# KiCad board keyboard_mk1.kicad_pcb
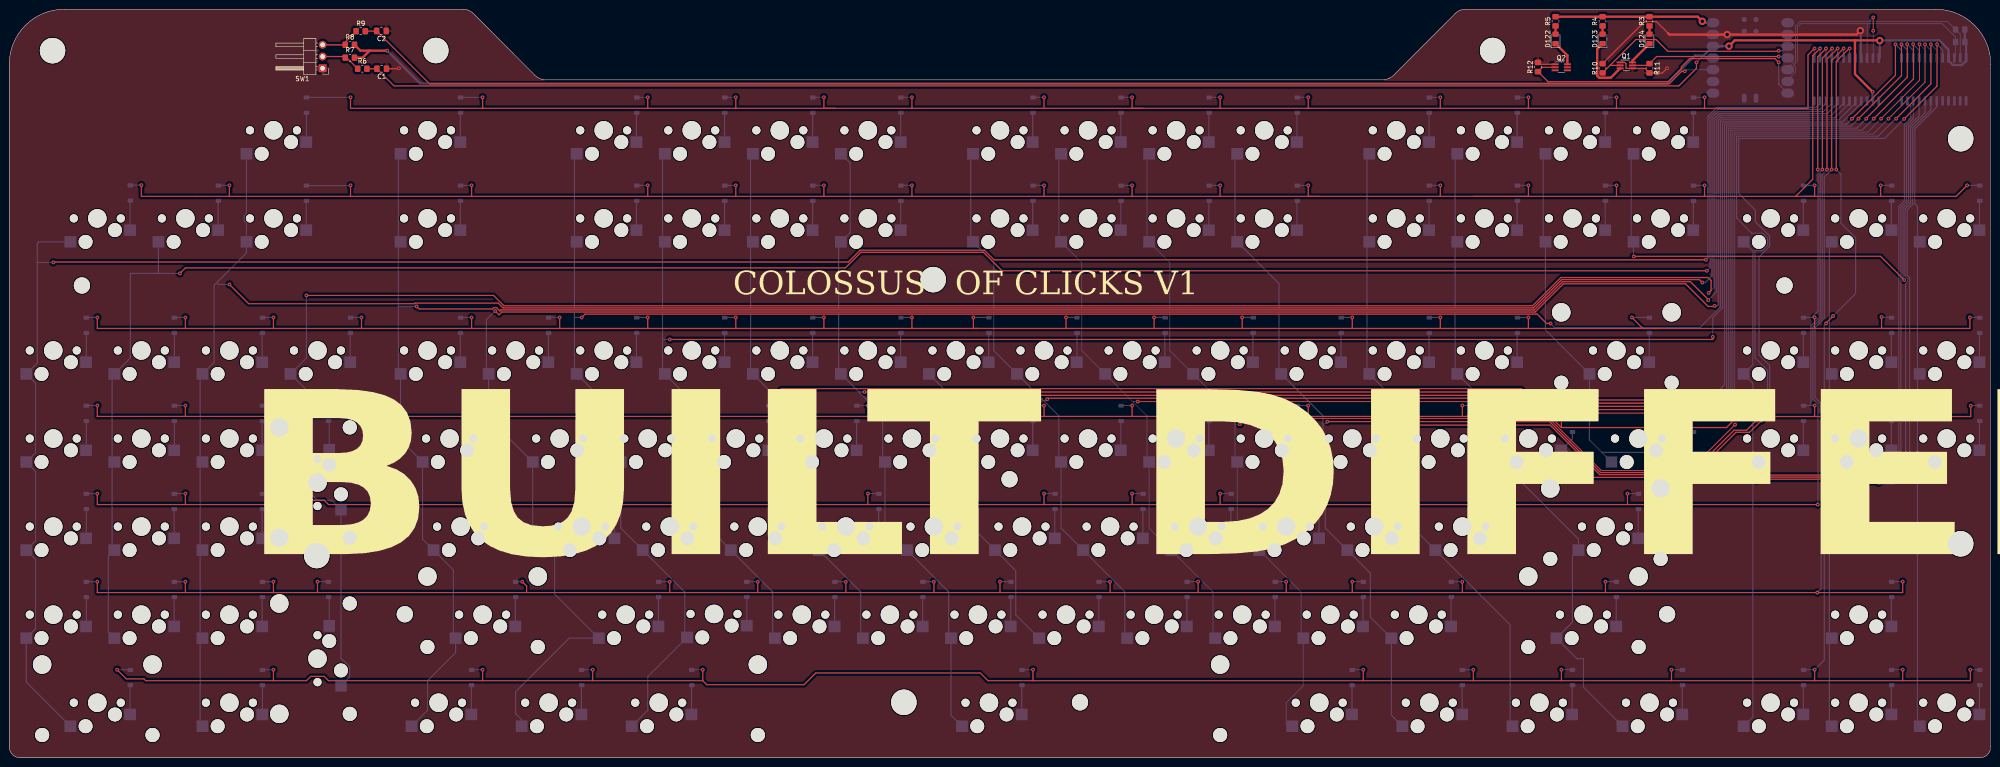
[diagram p0: board, top side]
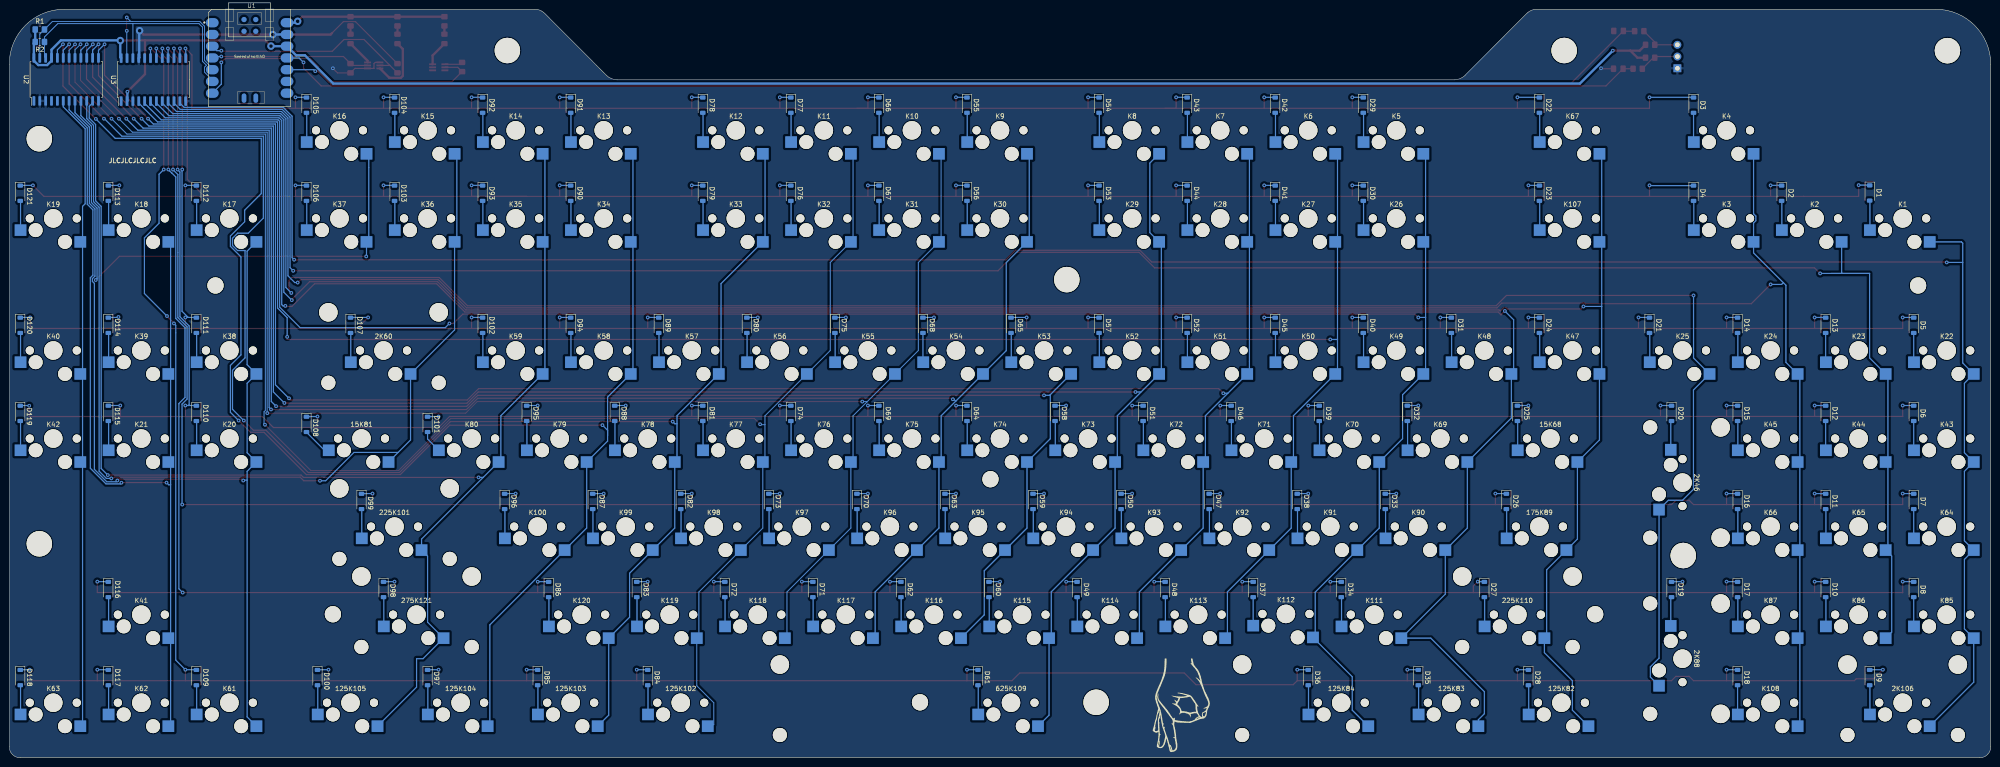
[diagram p1: board, bottom side, seen from below]

Outline 428.62 x 161.93 mm; copper layers: Top, Bottom. Coordinates in mm from the lower left corner of the outline.
Outline path: 0,150.02 arc(3.49,158.44) 11.91,161.93 98.23,161.93 arc(99.37,161.7) 100.33,161.05 113.7,147.64 arc(114.8,146.91) 116.09,146.65 297.06,146.65 arc(298.35,146.91) 299.44,147.64 312.82,161.05 arc(313.78,161.7) 314.92,161.93 416.72,161.93 arc(425.14,158.44) 428.62,150.02 428.62,2.38 arc(427.93,0.7) 426.24,0 2.38,0 arc(0.7,0.7) 0,2.38 0,150.02
Stack: Top 0.035mm / dielectric 1.51mm FR4 er 4.5 / Bottom 0.035mm

## Placement (name value [footprint] x y rotation side)
2K46  KEYSW  [MXOnly-2U-Hotswap]  76.2 78.58 270 top
2K60  KEYSW  [MXOnly-2U-Hotswap]  366.71 78.58 180 top
2K88  KEYSW  [MXOnly-2U-Hotswap]  76.2 40.48 270 top
2K106  KEYSW  [MXOnly-2U-Hotswap]  38.1 2.38 180 top
15K68  KEYSW  [MXOnly-1.5U-Hotswap]  109.54 59.53 180 top
15K81  KEYSW  [MXOnly-1.5U-Hotswap]  366.71 59.53 180 top
125K82  KEYSW  [MXOnly-1.25U-Hotswap]  104.77 2.38 180 top
125K83  KEYSW  [MXOnly-1.25U-Hotswap]  128.59 2.38 180 top
125K84  KEYSW  [MXOnly-1.25U-Hotswap]  152.4 2.38 180 top
125K102  KEYSW  [MXOnly-1.25U-Hotswap]  295.27 2.38 180 top
125K103  KEYSW  [MXOnly-1.25U-Hotswap]  319.09 2.38 180 top
125K104  KEYSW  [MXOnly-1.25U-Hotswap]  342.9 2.38 180 top
125K105  KEYSW  [MXOnly-1.25U-Hotswap]  366.71 2.38 180 top
175K89  KEYSW  [MXOnly-1.75U-Hotswap]  114.3 40.48 180 top
225K101  KEYSW  [MXOnly-2.25U-Hotswap]  366.71 40.48 180 top
225K110  KEYSW  [MXOnly-2.25U-Hotswap]  123.82 21.43 180 top
275K121  KEYSW  [MXOnly-2.75U-Hotswap]  366.71 21.43 180 top
625K109  KEYSW  [MXOnly-6.25U-Hotswap]  271.46 2.38 180 top
C1  0.01uF  [C_0805_2012Metric_Pad1.18x1.45mm_HandSolder]  80.57 149.05 180 top
C2  0.01uF  [C_0805_2012Metric_Pad1.18x1.45mm_HandSolder]  80.51 157.23 180 top
D1  D  [D_SOD-123]  26.19 122.17 270 bottom
D2  D  [D_SOD-123]  45.24 122.12 270 bottom
D3  D  [D_SOD-123]  64.29 141.17 270 bottom
D4  D  [D_SOD-123]  64.29 122.12 270 bottom
D5  D  [D_SOD-123]  16.67 93.55 270 bottom
D6  D  [D_SOD-123]  16.67 74.5 270 bottom
D7  D  [D_SOD-123]  16.67 55.45 270 bottom
D8  D  [D_SOD-123]  16.67 36.4 270 bottom
D9  D  [D_SOD-123]  26.19 17.35 270 bottom
D10  D  [D_SOD-123]  35.72 36.4 270 bottom
D11  D  [D_SOD-123]  35.72 55.45 270 bottom
D12  D  [D_SOD-123]  35.72 74.5 270 bottom
D13  D  [D_SOD-123]  35.72 93.55 270 bottom
D14  D  [D_SOD-123]  54.77 93.55 270 bottom
D15  D  [D_SOD-123]  54.77 74.5 270 bottom
D16  D  [D_SOD-123]  54.77 55.45 270 bottom
D17  D  [D_SOD-123]  54.77 36.4 270 bottom
D18  D  [D_SOD-123]  54.77 17.35 270 bottom
D19  D  [D_SOD-123]  69.06 36.4 270 bottom
D20  D  [D_SOD-123]  69.06 74.5 270 bottom
D21  D  [D_SOD-123]  73.82 93.55 270 bottom
D22  D  [D_SOD-123]  97.63 141.18 270 bottom
D23  D  [D_SOD-123]  97.63 122.12 270 bottom
D24  D  [D_SOD-123]  97.63 93.55 270 bottom
D25  D  [D_SOD-123]  102.39 74.5 270 bottom
D26  D  [D_SOD-123]  104.77 55.45 270 bottom
D27  D  [D_SOD-123]  109.54 36.4 270 bottom
D28  D  [D_SOD-123]  100.01 17.35 270 bottom
D29  D  [D_SOD-123]  135.73 141.18 270 bottom
D30  D  [D_SOD-123]  135.73 122.12 270 bottom
D31  D  [D_SOD-123]  116.68 93.55 270 bottom
D32  D  [D_SOD-123]  126.21 74.5 270 bottom
D33  D  [D_SOD-123]  130.97 55.45 270 bottom
D34  D  [D_SOD-123]  140.49 36.4 270 bottom
D35  D  [D_SOD-123]  123.82 17.35 270 bottom
D36  D  [D_SOD-123]  147.64 17.35 270 bottom
D37  D  [D_SOD-123]  159.54 36.4 270 bottom
D38  D  [D_SOD-123]  150.02 55.45 270 bottom
D39  D  [D_SOD-123]  145.26 74.5 270 bottom
D40  D  [D_SOD-123]  135.73 93.55 270 bottom
D41  D  [D_SOD-123]  154.78 122.12 270 bottom
D42  D  [D_SOD-123]  154.78 141.18 270 bottom
D43  D  [D_SOD-123]  173.83 141.18 270 bottom
D44  D  [D_SOD-123]  173.83 122.12 270 bottom
D45  D  [D_SOD-123]  154.78 93.55 270 bottom
D46  D  [D_SOD-123]  164.31 74.5 270 bottom
D47  D  [D_SOD-123]  169.07 55.45 270 bottom
D48  D  [D_SOD-123]  178.59 36.4 270 bottom
D49  D  [D_SOD-123]  197.64 36.4 270 bottom
D50  D  [D_SOD-123]  188.12 55.45 270 bottom
D51  D  [D_SOD-123]  183.36 74.5 270 bottom
D52  D  [D_SOD-123]  173.83 93.55 270 bottom
D53  D  [D_SOD-123]  192.88 122.12 270 bottom
D54  D  [D_SOD-123]  192.88 141.18 270 bottom
D55  D  [D_SOD-123]  221.46 141.18 270 bottom
D56  D  [D_SOD-123]  221.46 122.12 270 bottom
D57  D  [D_SOD-123]  192.88 93.55 270 bottom
D58  D  [D_SOD-123]  202.41 74.5 270 bottom
D59  D  [D_SOD-123]  207.17 55.45 270 bottom
D60  D  [D_SOD-123]  216.69 36.4 270 bottom
D61  D  [D_SOD-123]  219.07 17.35 270 bottom
D62  D  [D_SOD-123]  235.74 36.4 270 bottom
D63  D  [D_SOD-123]  226.22 55.45 270 bottom
D64  D  [D_SOD-123]  221.46 74.5 270 bottom
D65  D  [D_SOD-123]  211.93 93.55 270 bottom
D66  D  [D_SOD-123]  240.51 141.18 270 bottom
D67  D  [D_SOD-123]  240.51 122.12 270 bottom
D68  D  [D_SOD-123]  230.98 93.55 270 bottom
D69  D  [D_SOD-123]  240.51 74.5 270 bottom
D70  D  [D_SOD-123]  245.27 55.45 270 bottom
D71  D  [D_SOD-123]  254.79 36.4 270 bottom
D72  D  [D_SOD-123]  273.84 36.4 270 bottom
D73  D  [D_SOD-123]  264.32 55.45 270 bottom
D74  D  [D_SOD-123]  259.56 74.5 270 bottom
D75  D  [D_SOD-123]  250.03 93.55 270 bottom
D76  D  [D_SOD-123]  259.56 122.12 270 bottom
D77  D  [D_SOD-123]  259.56 141.18 270 bottom
D78  D  [D_SOD-123]  278.61 141.18 270 bottom
D79  D  [D_SOD-123]  278.61 122.12 270 bottom
D80  D  [D_SOD-123]  269.08 93.55 270 bottom
D81  D  [D_SOD-123]  278.61 74.5 270 bottom
D82  D  [D_SOD-123]  283.37 55.45 270 bottom
D83  D  [D_SOD-123]  292.89 36.4 270 bottom
D84  D  [D_SOD-123]  290.51 17.35 270 bottom
D85  D  [D_SOD-123]  314.32 17.35 270 bottom
D86  D  [D_SOD-123]  311.94 36.4 270 bottom
D87  D  [D_SOD-123]  302.42 55.45 270 bottom
D88  D  [D_SOD-123]  297.66 74.5 270 bottom
D89  D  [D_SOD-123]  288.13 93.55 270 bottom
D90  D  [D_SOD-123]  307.18 122.12 270 bottom
D91  D  [D_SOD-123]  307.18 141.18 270 bottom
D92  D  [D_SOD-123]  326.23 141.18 270 bottom
D93  D  [D_SOD-123]  326.23 122.12 270 bottom
D94  D  [D_SOD-123]  307.18 93.55 270 bottom
D95  D  [D_SOD-123]  316.71 74.5 270 bottom
D96  D  [D_SOD-123]  321.47 55.45 270 bottom
D97  D  [D_SOD-123]  338.14 17.35 270 bottom
D98  D  [D_SOD-123]  347.66 36.4 270 bottom
D99  D  [D_SOD-123]  352.42 55.45 270 bottom
D100  D  [D_SOD-123]  361.95 17.35 270 bottom
D101  D  [D_SOD-123]  338.14 72.12 270 bottom
D102  D  [D_SOD-123]  326.23 93.55 270 bottom
D103  D  [D_SOD-123]  345.28 122.12 270 bottom
D104  D  [D_SOD-123]  345.28 141.18 270 bottom
D105  D  [D_SOD-123]  364.33 141.18 270 bottom
D106  D  [D_SOD-123]  364.33 122.12 270 bottom
D107  D  [D_SOD-123]  354.81 93.55 270 bottom
D108  D  [D_SOD-123]  364.33 72.12 270 bottom
D109  D  [D_SOD-123]  388.14 17.35 270 bottom
D110  D  [D_SOD-123]  388.14 74.5 270 bottom
D111  D  [D_SOD-123]  388.14 93.55 270 bottom
D112  D  [D_SOD-123]  388.14 122.12 270 bottom
D113  D  [D_SOD-123]  407.19 122.12 270 bottom
D114  D  [D_SOD-123]  407.19 93.55 270 bottom
D115  D  [D_SOD-123]  407.19 74.5 270 bottom
D116  D  [D_SOD-123]  407.19 36.4 270 bottom
D117  D  [D_SOD-123]  407.19 17.35 270 bottom
D118  D  [D_SOD-123]  426.24 17.35 270 bottom
D119  D  [D_SOD-123]  426.24 74.5 270 bottom
D120  D  [D_SOD-123]  426.24 93.55 270 bottom
D121  D  [D_SOD-123]  426.24 122.12 270 bottom
D122  LED  [LED_0805_2012Metric_Pad1.15x1.40mm_HandSolder]  334.49 155.51 90 top
D123  LED  [LED_0805_2012Metric_Pad1.15x1.40mm_HandSolder]  344.65 155.51 90 top
D124  LED  [LED_0805_2012Metric_Pad1.15x1.40mm_HandSolder]  354.81 155.51 90 top
K1  KEYSW  [MXOnly-1U-Hotswap]  28.57 107.16 180 top
K2  KEYSW  [MXOnly-1U-Hotswap]  47.62 107.16 180 top
K3  KEYSW  [MXOnly-1U-Hotswap]  66.67 107.16 180 top
K4  KEYSW  [MXOnly-1U-Hotswap]  66.67 126.21 180 top
K5  KEYSW  [MXOnly-1U-Hotswap]  138.11 126.21 180 top
K6  KEYSW  [MXOnly-1U-Hotswap]  157.16 126.21 180 top
K7  KEYSW  [MXOnly-1U-Hotswap]  176.21 126.21 180 top
K8  KEYSW  [MXOnly-1U-Hotswap]  195.26 126.21 180 top
K9  KEYSW  [MXOnly-1U-Hotswap]  223.84 126.21 180 top
K10  KEYSW  [MXOnly-1U-Hotswap]  242.89 126.21 180 top
K11  KEYSW  [MXOnly-1U-Hotswap]  261.94 126.21 180 top
K12  KEYSW  [MXOnly-1U-Hotswap]  280.99 126.21 180 top
K13  KEYSW  [MXOnly-1U-Hotswap]  309.56 126.21 180 top
K14  KEYSW  [MXOnly-1U-Hotswap]  328.61 126.21 180 top
K15  KEYSW  [MXOnly-1U-Hotswap]  347.66 126.21 180 top
K16  KEYSW  [MXOnly-1U-Hotswap]  366.71 126.21 180 top
K17  KEYSW  [MXOnly-1U-Hotswap]  390.52 107.16 180 top
K18  KEYSW  [MXOnly-1U-Hotswap]  409.57 107.16 180 top
K19  KEYSW  [MXOnly-1U-Hotswap]  428.62 107.16 180 top
K20  KEYSW  [MXOnly-1U-Hotswap]  390.52 59.53 180 top
K21  KEYSW  [MXOnly-1U-Hotswap]  409.57 59.53 180 top
K22  KEYSW  [MXOnly-1U-Hotswap]  19.05 78.58 180 top
K23  KEYSW  [MXOnly-1U-Hotswap]  38.1 78.58 180 top
K24  KEYSW  [MXOnly-1U-Hotswap]  57.15 78.58 180 top
K25  KEYSW  [MXOnly-1U-Hotswap]  76.2 78.58 180 top
K26  KEYSW  [MXOnly-1U-Hotswap]  138.11 107.16 180 top
K27  KEYSW  [MXOnly-1U-Hotswap]  157.16 107.16 180 top
K28  KEYSW  [MXOnly-1U-Hotswap]  176.21 107.16 180 top
K29  KEYSW  [MXOnly-1U-Hotswap]  195.26 107.16 180 top
K30  KEYSW  [MXOnly-1U-Hotswap]  223.84 107.16 180 top
K31  KEYSW  [MXOnly-1U-Hotswap]  242.89 107.16 180 top
K32  KEYSW  [MXOnly-1U-Hotswap]  261.94 107.16 180 top
K33  KEYSW  [MXOnly-1U-Hotswap]  280.99 107.16 180 top
K34  KEYSW  [MXOnly-1U-Hotswap]  309.56 107.16 180 top
K35  KEYSW  [MXOnly-1U-Hotswap]  328.61 107.16 180 top
K36  KEYSW  [MXOnly-1U-Hotswap]  347.66 107.16 180 top
K37  KEYSW  [MXOnly-1U-Hotswap]  366.71 107.16 180 top
K38  KEYSW  [MXOnly-1U-Hotswap]  390.52 78.58 180 top
K39  KEYSW  [MXOnly-1U-Hotswap]  409.57 78.58 180 top
K40  KEYSW  [MXOnly-1U-Hotswap]  428.62 78.58 180 top
K41  KEYSW  [MXOnly-1U-Hotswap]  409.57 21.43 180 top
K42  KEYSW  [MXOnly-1U-Hotswap]  428.62 59.53 180 top
K43  KEYSW  [MXOnly-1U-Hotswap]  19.05 59.53 180 top
K44  KEYSW  [MXOnly-1U-Hotswap]  38.1 59.53 180 top
K45  KEYSW  [MXOnly-1U-Hotswap]  57.15 59.53 180 top
K47  KEYSW  [MXOnly-1U-Hotswap]  100.01 78.58 180 top
K48  KEYSW  [MXOnly-1U-Hotswap]  119.06 78.58 180 top
K49  KEYSW  [MXOnly-1U-Hotswap]  138.11 78.58 180 top
K50  KEYSW  [MXOnly-1U-Hotswap]  157.16 78.58 180 top
K51  KEYSW  [MXOnly-1U-Hotswap]  176.21 78.58 180 top
K52  KEYSW  [MXOnly-1U-Hotswap]  195.26 78.58 180 top
K53  KEYSW  [MXOnly-1U-Hotswap]  214.31 78.58 180 top
K54  KEYSW  [MXOnly-1U-Hotswap]  233.36 78.58 180 top
K55  KEYSW  [MXOnly-1U-Hotswap]  252.41 78.58 180 top
K56  KEYSW  [MXOnly-1U-Hotswap]  271.46 78.58 180 top
K57  KEYSW  [MXOnly-1U-Hotswap]  290.51 78.58 180 top
K58  KEYSW  [MXOnly-1U-Hotswap]  309.56 78.58 180 top
K59  KEYSW  [MXOnly-1U-Hotswap]  328.61 78.58 180 top
K61  KEYSW  [MXOnly-1U-Hotswap]  390.52 2.38 180 top
K62  KEYSW  [MXOnly-1U-Hotswap]  409.57 2.38 180 top
K63  KEYSW  [MXOnly-1U-Hotswap]  428.62 2.38 180 top
K64  KEYSW  [MXOnly-1U-Hotswap]  19.05 40.48 180 top
K65  KEYSW  [MXOnly-1U-Hotswap]  38.1 40.48 180 top
K66  KEYSW  [MXOnly-1U-Hotswap]  57.15 40.48 180 top
K67  KEYSW  [MXOnly-1U-Hotswap]  100.01 126.21 180 top
K69  KEYSW  [MXOnly-1U-Hotswap]  128.59 59.53 180 top
K70  KEYSW  [MXOnly-1U-Hotswap]  147.64 59.53 180 top
K71  KEYSW  [MXOnly-1U-Hotswap]  166.69 59.53 180 top
K72  KEYSW  [MXOnly-1U-Hotswap]  185.74 59.53 180 top
K73  KEYSW  [MXOnly-1U-Hotswap]  204.79 59.53 180 top
K74  KEYSW  [MXOnly-1U-Hotswap]  223.84 59.53 180 top
K75  KEYSW  [MXOnly-1U-Hotswap]  242.89 59.53 180 top
K76  KEYSW  [MXOnly-1U-Hotswap]  261.94 59.53 180 top
K77  KEYSW  [MXOnly-1U-Hotswap]  280.99 59.53 180 top
K78  KEYSW  [MXOnly-1U-Hotswap]  300.04 59.53 180 top
K79  KEYSW  [MXOnly-1U-Hotswap]  319.09 59.53 180 top
K80  KEYSW  [MXOnly-1U-Hotswap]  338.14 59.53 180 top
K85  KEYSW  [MXOnly-1U-Hotswap]  19.05 21.43 180 top
K86  KEYSW  [MXOnly-1U-Hotswap]  38.1 21.43 180 top
K87  KEYSW  [MXOnly-1U-Hotswap]  57.15 21.43 180 top
K90  KEYSW  [MXOnly-1U-Hotswap]  133.35 40.48 180 top
K91  KEYSW  [MXOnly-1U-Hotswap]  152.4 40.48 180 top
K92  KEYSW  [MXOnly-1U-Hotswap]  171.45 40.48 180 top
K93  KEYSW  [MXOnly-1U-Hotswap]  190.5 40.48 180 top
K94  KEYSW  [MXOnly-1U-Hotswap]  209.55 40.48 180 top
K95  KEYSW  [MXOnly-1U-Hotswap]  228.6 40.48 180 top
K96  KEYSW  [MXOnly-1U-Hotswap]  247.65 40.48 180 top
K97  KEYSW  [MXOnly-1U-Hotswap]  266.7 40.48 180 top
K98  KEYSW  [MXOnly-1U-Hotswap]  285.75 40.48 180 top
K99  KEYSW  [MXOnly-1U-Hotswap]  304.8 40.48 180 top
K100  KEYSW  [MXOnly-1U-Hotswap]  323.85 40.48 180 top
K107  KEYSW  [MXOnly-1U-Hotswap]  100.01 107.16 180 top
K108  KEYSW  [MXOnly-1U-Hotswap]  57.15 2.38 180 top
K111  KEYSW  [MXOnly-1U-Hotswap]  142.88 21.43 180 top
K112  KEYSW  [MXOnly-1U-Hotswap]  161.98 21.59 180 top
K113  KEYSW  [MXOnly-1U-Hotswap]  180.98 21.43 180 top
K114  KEYSW  [MXOnly-1U-Hotswap]  200.02 21.43 180 top
K115  KEYSW  [MXOnly-1U-Hotswap]  219.07 21.43 180 top
K116  KEYSW  [MXOnly-1U-Hotswap]  238.12 21.43 180 top
K117  KEYSW  [MXOnly-1U-Hotswap]  257.17 21.43 180 top
K118  KEYSW  [MXOnly-1U-Hotswap]  276.23 21.43 180 top
K119  KEYSW  [MXOnly-1U-Hotswap]  295.27 21.43 180 top
K120  KEYSW  [MXOnly-1U-Hotswap]  314.32 21.43 180 top
Q1  Q_Dual_NMOS_S1G1D2S2G2D1  [SOT-363_SC-70-6_Handsoldering]  349.79 149.78 0 top
Q2  Q_Dual_NMOS_S1G1D2S2G2D1  [SOT-363_SC-70-6_Handsoldering]  335.72 149.37 0 top
R1  10K  [R_0805_2012Metric_Pad1.20x1.40mm_HandSolder]  422.01 157.55 0 bottom
R2  10K  [R_0805_2012Metric_Pad1.20x1.40mm_HandSolder]  422.01 154.85 0 bottom
R3  120  [R_0805_2012Metric_Pad1.20x1.40mm_HandSolder]  354.81 159.32 90 top
R4  120  [R_0805_2012Metric_Pad1.20x1.40mm_HandSolder]  344.65 159.32 90 top
R5  120  [R_0805_2012Metric_Pad1.20x1.40mm_HandSolder]  334.49 159.32 90 top
R6  10K  [R_0805_2012Metric_Pad1.20x1.40mm_HandSolder]  76.37 149.05 0 top
R7  10K  [R_0805_2012Metric_Pad1.20x1.40mm_HandSolder]  73.68 151.44 0 top
R8  10K  [R_0805_2012Metric_Pad1.20x1.40mm_HandSolder]  73.68 154.24 0 top
R9  10K  [R_0805_2012Metric_Pad1.20x1.40mm_HandSolder]  76.03 157.18 0 top
R10  10K  [R_0805_2012Metric_Pad1.20x1.40mm_HandSolder]  344.65 149.16 90 top
R11  10K  [R_0805_2012Metric_Pad1.20x1.40mm_HandSolder]  354.81 149.16 270 top
R12  10K  [R_0805_2012Metric_Pad1.20x1.40mm_HandSolder]  330.68 149.43 90 top
REF**  -  [MountingHole_5.5mm]  193.52 12 0 top
REF**#2  -  [MountingHole_5.5mm]  422.12 46.29 0 top
REF**#3  -  [MountingHole_3.5mm]  231.62 12 0 top
REF**#4  -  [MountingHole_5.5mm]  92.27 153 0 top
REF**#5  -  [MountingHole_3.5mm]  85.57 31.05 0 top
REF**#6  -  [MountingHole_5.5mm]  320.87 153 0 top
REF**#7  -  [MountingHole_5.5mm]  9.37 152.97 0 top
REF**#8  -  [MountingHole_3.5mm]  358.62 31.05 0 top
REF**#9  -  [MountingHole_5.5mm]  422.12 133.92 0 top
REF**#10  -  [MountingHole_3.5mm]  216.38 60.26 0 top
REF**#11  -  [MountingHole_3.5mm]  384.02 102.17 0 top
REF**#12  -  [MountingHole_5.5mm]  66.52 43.75 0 top
REF**#13  -  [MountingHole_3.5mm]  15.72 102.17 0 top
REF**#14  -  [MountingHole_5.5mm]  199.87 103.44 0 top
REF**#15  -  [LOGO]  175.1 11.36 0 bottom
SW1  RotaryEncoder  [PinHeader_1x03_P2.54mm_Horizontal]  67.79 149.16 180 top
U1  SeeeduinoXIAO  [Seeeduino XIAO-MOUDLE14P-2.54-21X17.8MM]  385.54 140.89 180 bottom
U2  PCA9555D  [SOIC-24W_7.5x15.4mm_P1.27mm]  416.31 146.75 90 bottom
U3  PCA9555D  [SOIC-24W_7.5x15.4mm_P1.27mm]  397.43 146.7 90 bottom

## Library data of the parts
C1 C2 = -: Description: Unpolarized capacitor
D1-D121 = -: Description: Diode; Sim.Pins: 1=K 2=A
D122-D124 = -: Description: Light emitting diode
Q1 Q2 = -: Description: Dual NMOS transistor, 6 pin package
R1-R12 = -: Description: Resistor
SW1 = -: Description: Rotary encoder, dual channel, incremental quadrate outputs
U2 U3 = -: Description: IO expander 16 GPIO, I2C 400kHz, Interrupt, 2.3 - 5.5V, SOIC-24

## Footprints (pads in the part's own frame, mm; a bottom-side part is the same pattern mirrored in y, then rotated)
C_0805_2012Metric_Pad1.18x1.45mm_HandSolder
  rrect 1.175x1.45 smd: 1(-1.038,0) 2(1.038,0)
D_SOD-123
  rrect 0.9x1.2 smd: 1(-1.65,0) 2(1.65,0)
LED_0805_2012Metric_Pad1.15x1.40mm_HandSolder
  rrect 1.15x1.4 smd: 1(-1.025,0) 2(1.025,0)
MountingHole_3.5mm
  round 3.5 hole 3.5 unplated: (0,0)
MountingHole_5.5mm
  round 5.5 hole 5.5 unplated: (0,0)
MXOnly-1.5U-Hotswap
  round 1.75 hole 1.75 unplated: (9.207,-9.525) (19.367,-9.525)
  round 3 hole 3 unplated: (10.477,-6.985) (16.828,-4.445)
  round 3.988 hole 3.988 unplated: (14.287,-9.525)
  rect 2.55x2.5 smd far side: 1(7.202,-6.985) 2(20.13,-4.445)
MXOnly-1.25U-Hotswap
  round 1.75 hole 1.75 unplated: (6.826,-9.525) (16.986,-9.525)
  round 3 hole 3 unplated: (8.096,-6.985) (14.446,-4.445)
  round 3.988 hole 3.988 unplated: (11.906,-9.525)
  rect 2.55x2.5 smd far side: 1(4.821,-6.985) 2(17.748,-4.445)
MXOnly-1.75U-Hotswap
  round 1.75 hole 1.75 unplated: (11.589,-9.525) (21.749,-9.525)
  round 3 hole 3 unplated: (12.859,-6.985) (19.209,-4.445)
  round 3.988 hole 3.988 unplated: (16.669,-9.525)
  rect 2.55x2.5 smd far side: 1(9.584,-6.985) 2(22.511,-4.445)
MXOnly-1U-Hotswap
  round 1.75 hole 1.75 unplated: (4.445,-9.525) (14.605,-9.525)
  round 3 hole 3 unplated: (5.715,-6.985) (12.065,-4.445)
  round 3.988 hole 3.988 unplated: (9.525,-9.525)
  rect 2.55x2.5 smd far side: 1(2.44,-6.985) 2(15.367,-4.445)
MXOnly-2.25U-Hotswap
  round 3.048 hole 3.048 unplated: (9.493,-2.54) (33.369,-2.54)
  round 3.988 hole 3.988 unplated: (9.493,-17.78) (21.431,-9.525) (33.369,-17.78)
  round 1.75 hole 1.75 unplated: (16.351,-9.525) (26.511,-9.525)
  round 3 hole 3 unplated: (17.621,-6.985) (23.971,-4.445)
  rect 2.55x2.5 smd far side: 1(14.346,-6.985) 2(27.273,-4.445)
MXOnly-2.75U-Hotswap
  round 3.048 hole 3.048 unplated: (14.256,-2.54) (38.132,-2.54)
  round 3.988 hole 3.988 unplated: (14.256,-17.78) (26.194,-9.525) (38.132,-17.78)
  round 1.75 hole 1.75 unplated: (21.114,-9.525) (31.274,-9.525)
  round 3 hole 3 unplated: (22.384,-6.985) (28.734,-4.445)
  rect 2.55x2.5 smd far side: 1(19.109,-6.985) 2(32.036,-4.445)
MXOnly-2U-Hotswap
  round 3.048 hole 3.048 unplated: (7.112,-2.54) (30.988,-2.54)
  round 3.988 hole 3.988 unplated: (7.112,-17.78) (19.05,-9.525) (30.988,-17.78)
  round 1.75 hole 1.75 unplated: (13.97,-9.525) (24.13,-9.525)
  round 3 hole 3 unplated: (15.24,-6.985) (21.59,-4.445)
  rect 2.55x2.5 smd far side: 1(11.965,-6.985) 2(24.892,-4.445)
MXOnly-6.25U-Hotswap
  round 3.048 hole 3.048 unplated: (9.531,-2.54) (109.531,-2.54)
  round 3.988 hole 3.988 unplated: (9.531,-17.78) (59.531,-9.525) (109.531,-17.78)
  round 1.75 hole 1.75 unplated: (54.451,-9.525) (64.611,-9.525)
  round 3 hole 3 unplated: (55.721,-6.985) (62.071,-4.445)
  rect 2.55x2.5 smd far side: 1(52.446,-6.985) 2(65.373,-4.445)
PinHeader_1x03_P2.54mm_Horizontal
  oval 1.7x1.7 hole 1: A(0,-5.08) B(0,-2.54)
  rect 1.7x1.7 hole 1: C(0,0)
R_0805_2012Metric_Pad1.20x1.40mm_HandSolder
  rrect 1.2x1.4 smd: 1(-1,0) 2(1,0)
Seeeduino XIAO-MOUDLE14P-2.54-21X17.8MM
  oval 2.748x1.999 smd: 1(0.833,18.118) 2(0.833,15.578) 3(0.833,13.038) 4(0.833,10.498) 5(0.833,7.958) 6(0.833,5.418) 7(0.833,2.878) 8(16.998,2.878) 9(16.998,5.418) 10(16.998,7.958) 11(16.998,10.498) 12(16.998,13.038) 13(16.998,15.578) 14(16.998,18.118)
  oval 1.016x2.032 smd: 15(7.7,1.8) 16(10.25,1.8)
  round 1.143 smd: 17(7.699,18.804) 18(10.239,18.804) 19(7.699,16.264) 20(10.239,16.264)
SOIC-24W_7.5x15.4mm_P1.27mm
  rrect 2.05x0.6 smd: 1(-4.65,6.985) 2(-4.65,5.715) 3(-4.65,4.445) 4(-4.65,3.175) 5(-4.65,1.905) 6(-4.65,0.635) 7(-4.65,-0.635) 8(-4.65,-1.905) 9(-4.65,-3.175) 10(-4.65,-4.445) 11(-4.65,-5.715) 12(-4.65,-6.985) 13(4.65,-6.985) 14(4.65,-5.715) 15(4.65,-4.445) 16(4.65,-3.175) 17(4.65,-1.905) 18(4.65,-0.635) 19(4.65,0.635) 20(4.65,1.905) 21(4.65,3.175) 22(4.65,4.445) 23(4.65,5.715) 24(4.65,6.985)
SOT-363_SC-70-6_Handsoldering
  rect 1.5x0.4 smd: 1(-1.33,0.65) 2(-1.33,0) 3(-1.33,-0.65) 4(1.33,-0.65) 5(1.33,0) 6(1.33,0.65)
